# Altium PCB imx6ull开发板.PcbDoc (part 3 of 3)
Units mil, origin at the board's own origin, x right, y up, seen from the top; angles counter-clockwise.
Board outline 3937.01 x 2952.76 mil, 4 copper layers (Top Layer, GND, PWR, Bottom Layer), stack 30.634 mil thick; 190 components, 204 nets, 893 pads, 369 vias.
Unrouted connection lines stored in the file: 1.
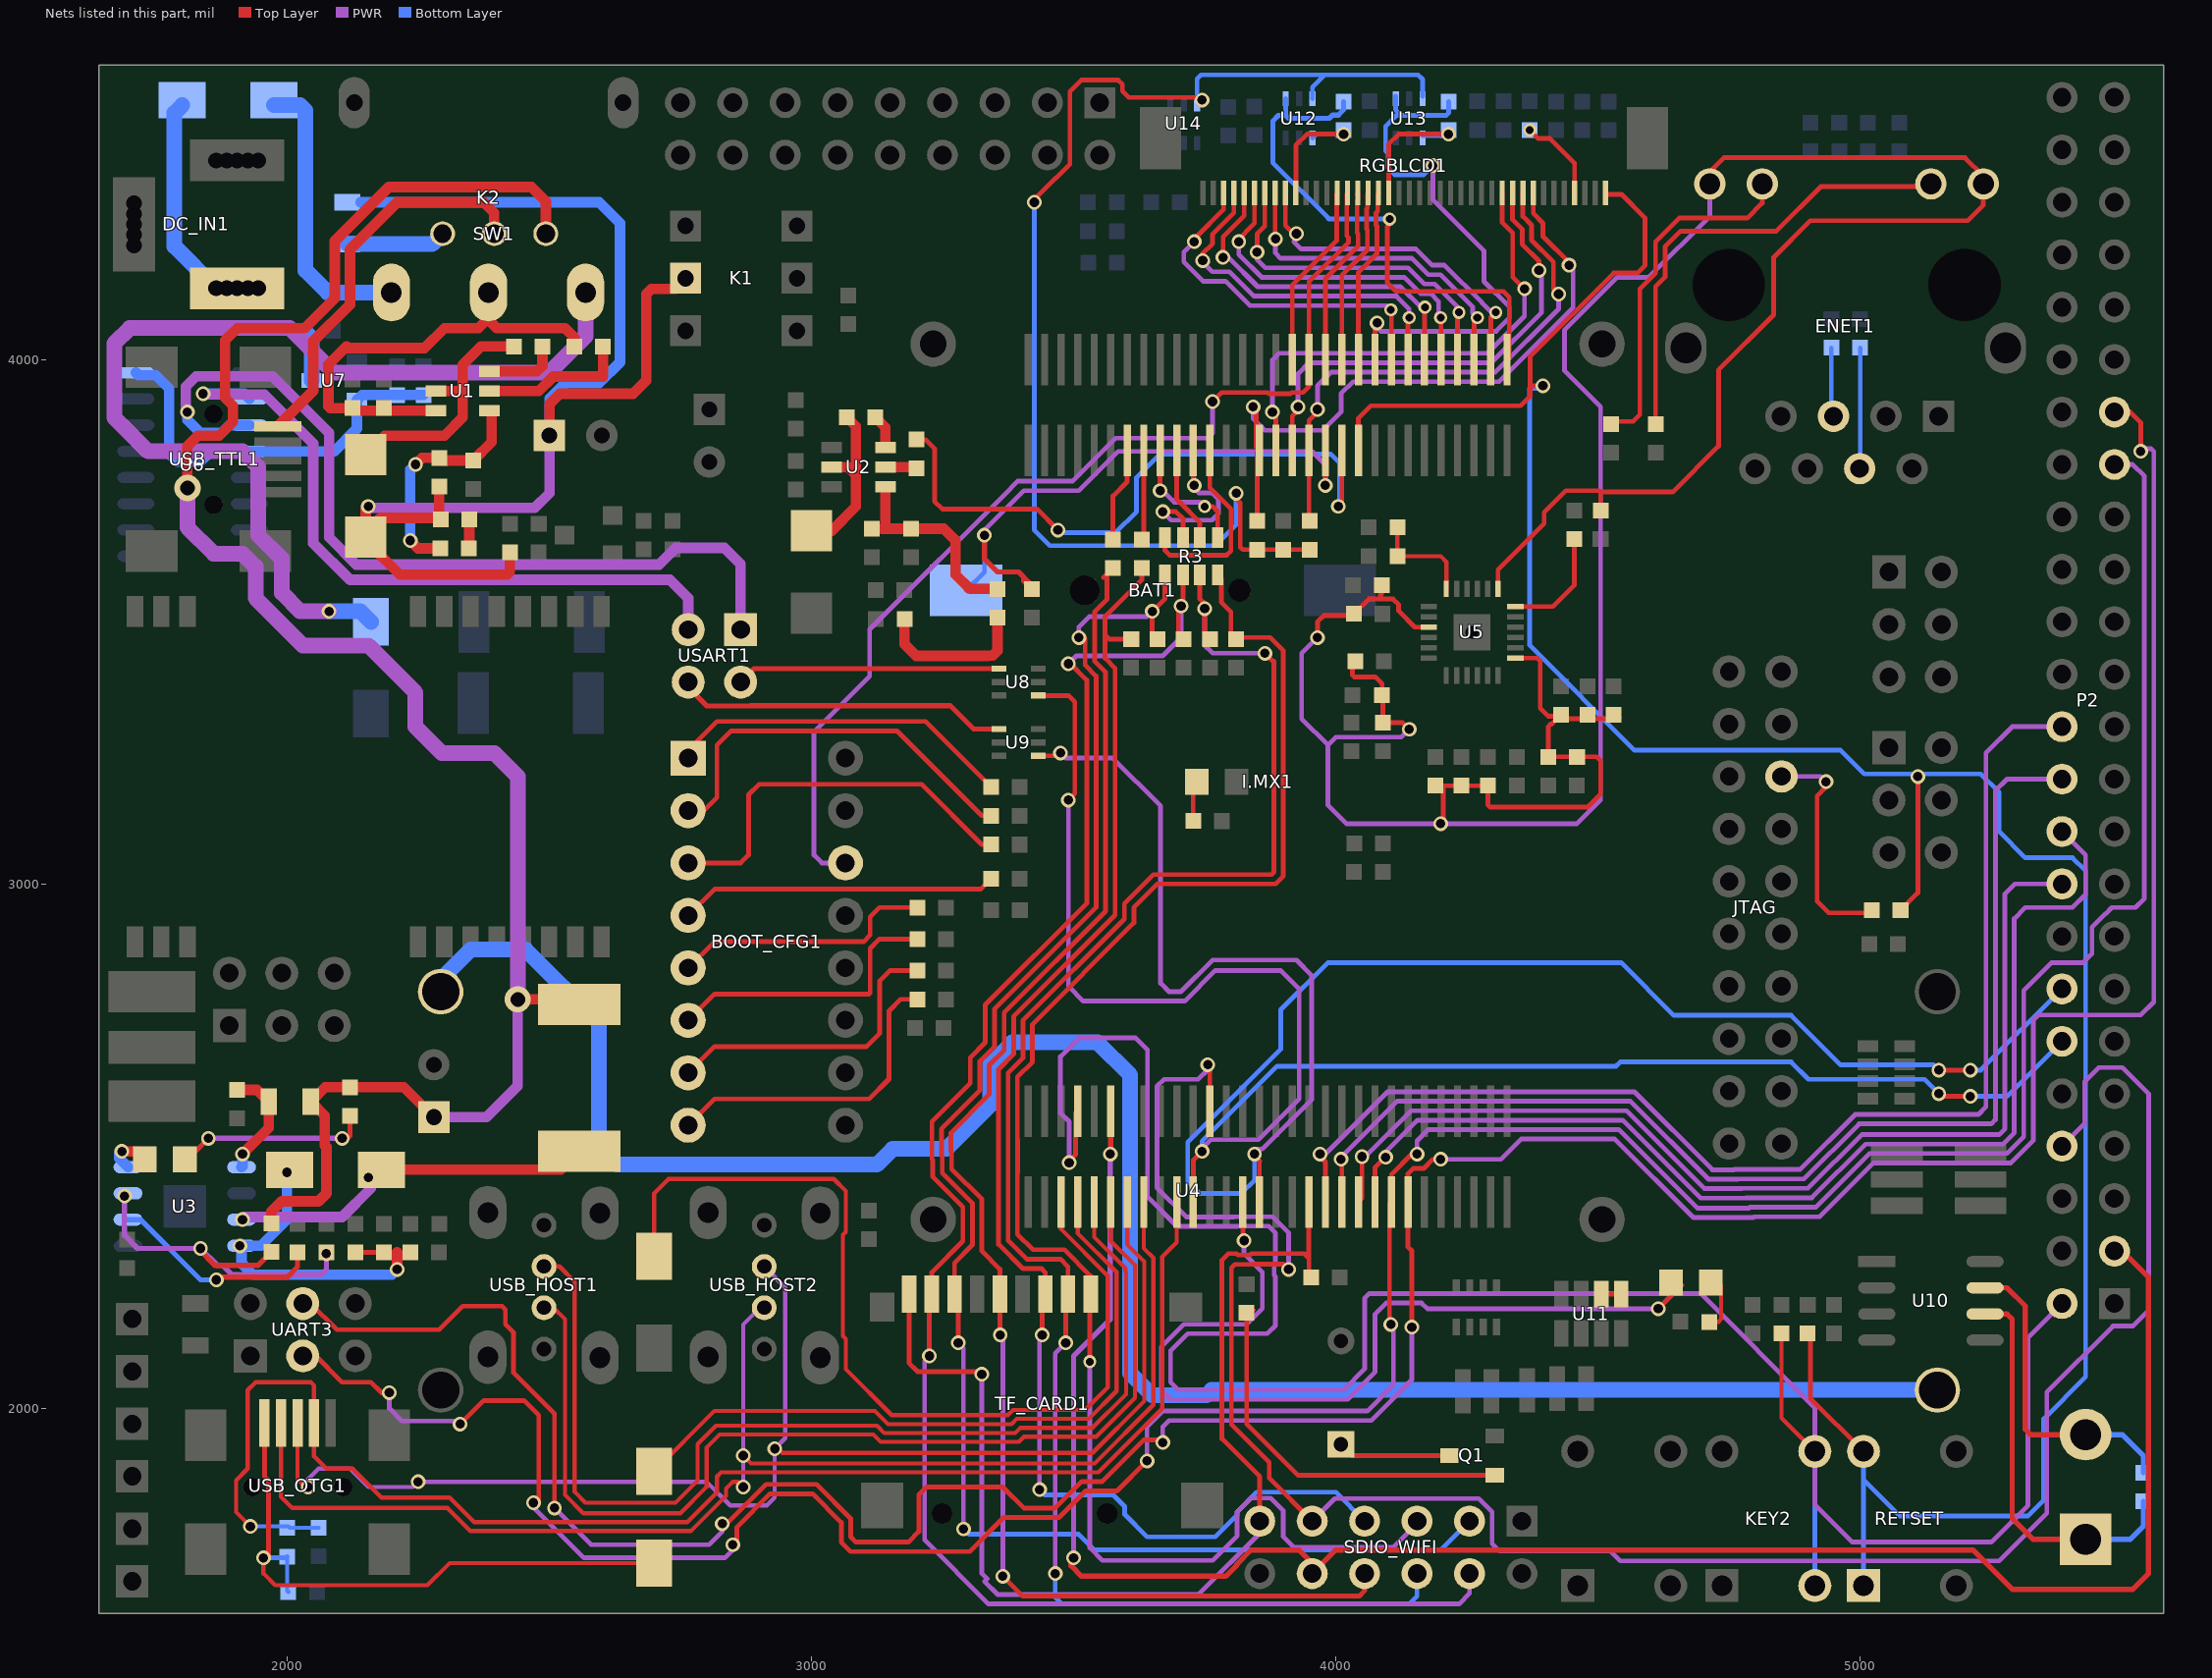
[diagram p5: the nets of this part, all layers, seen from the top]

## Via types
v1: diameter 28, hole 18, Top Layer to Bottom Layer, 322 vias
v2: diameter 25, hole 15, Top Layer to Bottom Layer, 41 vias
v3: diameter 19.68, hole 7.87, Top Layer to Bottom Layer, 4 vias
v4: diameter 50, hole 28, Top Layer to Bottom Layer, 2 vias

## Nets (pads, with @x,y where several pads share a name; then routed paths per layer and width w, separated by ;. In a path a pad name is that pad's centre, name@x,y a point inside that pad or via, vN(x,y) a via of type N, cw(c..) or ccw(c..) an arc to the next point about the centre after c; other vN are vias at no path point) (continued)
LCD_DATA10: I.MX1.J1_17 RGBLCD1.14 | length 353.6
  Top Layer w9: I.MX1.J1_17@3917.24,4000.12 3917.24,4142.44 4002,4227.2 4002,4301.93 4001.28,4302.65 4001.28,4316.52 RGBLCD1.14@4002.55,4317.79
LCD_DATA11: BOOT_CFG1.14 I.MX1.J1_18 RGBLCD1.15 | length 1958.6
  Top Layer w9: v1(3765,3920) 3782.41,3937.41 3835.24,3937.41 3841.77,3937.41 3870.09,3937.41 3872.5,3935 3914.2,3935 3916.61,3937.41 3937.41,3937.41 3948.74,3948.74 ; I.MX1.J1_18@3948.74,4000.12 3948.74,4148.48 4024.34,4224.08 4024.34,4232.52 4020.97,4235.89 4020.97,4316.53 RGBLCD1.15@4022.23,4317.79
  PWR w9: BOOT_CFG1.14@3065,3040 3020,3040 3005,3055 3005,3290 3111,3396 3111,3485.54 3380.5,3755.04 3380.5,3755.5 3393,3768 3498,3768 3580,3850 3755,3850 3765,3860 v1(3765,3920)
LCD_DATA12: I.MX1.J1_19 RGBLCD1.16 | length 346
  Top Layer w9: I.MX1.J1_19@3980.24,4000.12 3980.24,4154.52 4042.34,4216.63 4042.34,4239.98 4040.65,4241.67 4040.65,4288.57 4040.65,4303.33 4042.34,4305.02 4042.34,4312.5 4040.65,4314.19 4040.65,4316.52 RGBLCD1.16@4041.92,4317.79
LCD_DATA13: I.MX1.J1_20 RGBLCD1.17 | length 339.7
  Top Layer w9: I.MX1.J1_20@4011.73,4000.12 4011.73,4160.56 4060.34,4209.17 4060.34,4247.44 4058.65,4249.12 4058.65,4281.12 4058.65,4286.89 4060.34,4288.57 4060.34,4316.53 RGBLCD1.17@4061.6,4317.79
LCD_DATA14: I.MX1.J1_21 RGBLCD1.18 | length 334.8
  Top Layer w9: I.MX1.J1_21@4043.23,4000.12 4043.23,4166.6 4078.34,4201.71 4078.34,4254.89 4076.65,4256.58 4076.65,4273.66 4076.65,4279.43 4080.02,4282.8 4080.02,4316.52 RGBLCD1.18@4081.29,4317.79
LCD_DATA15: I.MX1.J1_22 R66.1 U13.4 | length 1074.4
  Top Layer w9: I.MX1.J1_22@4074.72,4000.12 4074.72,4065.83 v1(4078.72,4069.83)
  PWR w9: v1@4075,4073.55 v1(4078.72,4069.83) 4078.72,4061.28 4086,4054 4305.77,4054 4331,4079.23 4331,4100.77 4282.5,4149.27 4282.5,4207.5 4185,4305 v1(4185,4370)
  Bottom Layer w9: U13.4@4114.41,4502.4 U13.4@4114.41,4497.4 4114.41,4475.59 4124,4466 ; v1(4185,4370) 4167.5,4352.5 4112.5,4352.5 4100,4365 4100,4393.24 4095,4398.23 4095,4445 4116,4466 4124,4466 ; R66.1@4215,4492 4215,4470 4211,4466 4124,4466
LCD_DATA15S: R66.2 RGBLCD1.19 U13.1 | length 254.7
  Top Layer w9: RGBLCD1.19@4100.97,4317.79 4100.97,4410.97 4120,4430 v1(4215,4430)
  Bottom Layer w9: U13.1@4165.59,4427.6 R66.2@4205.16,4427.6
LCD_DATA16: I.MX1.J1_23 RGBLCD1.3 | length 679.2
  Top Layer w9: v1@3735,4235 3786.01,4286.01 RGBLCD1.3@3786.01,4317.79 ; v2(4105,4095) 4106.22,4093.78 I.MX1.J1_23@4106.22,4000.12
  PWR w9: v1(3730,4225) 3710,4205 3710,4186.11 3746.61,4149.5 3789.68,4149.5 3836.18,4103 4097,4103 v2(4105,4095)
LCD_DATA17: I.MX1.J1_24 RGBLCD1.4 | length 684.5
  Top Layer w9: v1@3745,4201.11 3765,4221.11 3765,4239.35 3805.7,4280.04 RGBLCD1.4@3805.7,4317.79 ; v1(3746.16,4188.84) 3752.27,4188.84 v1@3756.11,4185 ; I.MX1.J1_24@4137.72,4000.12 4137.72,4077.72 v2(4140,4080)
  PWR w9: v1(3746.16,4188.84) 3746.16,4186.16 3764.83,4167.5 3797.13,4167.5 3843.63,4121 4115.77,4121 4140,4096.77 v2(4140,4080)
LCD_DATA18: I.MX1.J1_25 RGBLCD1.5 | length 664.1
  Top Layer w9: v1(3785,4195) 3785,4233.89 3825.38,4274.27 RGBLCD1.5@3825.38,4317.79 ; I.MX1.J1_25@4169.21,4000.12 4169.21,4099.21 v2(4170,4100)
  PWR w9: v1(3785,4195) 3795.09,4195 3851.09,4139 4123.23,4139 4162.23,4100 v2(4170,4100)
LCD_DATA19: I.MX1.J1_26 RGBLCD1.6 | length 669.7
  Top Layer w9: v1(3815,4225) 3810,4225 3845.07,4260.07 RGBLCD1.6@3845.07,4317.79 ; v2(4200,4080) 4200.71,4079.29 I.MX1.J1_26@4200.71,4000.12
  PWR w9: v1(3815,4225) 3815,4200.54 3858.54,4157 4130.68,4157 4161.68,4126 4180.77,4126 4196,4110.77 4196,4089.23 4193.38,4086.62 v2(4200,4080)
LCD_DATA20: I.MX1.J1_27 RGBLCD1.7 | length 655
  Top Layer w9: v1(3850,4205) 3850,4239.54 3864.75,4254.3 RGBLCD1.7@3864.75,4317.79 ; I.MX1.J1_27@4232.2,4000.12 4232.2,4087.2 v2(4235,4090)
  PWR w9: v1(3850,4205) 3850,4191 3866,4175 4138.14,4175 4169.14,4144 4188.23,4144 4235,4097.23 v2(4235,4090)
LCD_DATA21: I.MX1.J1_28 RGBLCD1.8 | length 641.5
  Top Layer w9: RGBLCD1.8@3884.44,4317.79 3884.44,4233.33 3885,4233.89 v1(3885,4230) ; I.MX1.J1_28@4263.7,4000.12 4263.7,4073.7 v2(4270,4080)
  PWR w9: v1(3885,4230) 3885,4203 3895,4193 4145.59,4193 4176.59,4162 4199.77,4162 4261,4100.77 4261,4089 v2(4270,4080)
LCD_DATA22: I.MX1.J1_29 RGBLCD1.9 | length 641.6
  Top Layer w9: RGBLCD1.9@3904.12,4317.79 3904.12,4255.88 3920,4240 v1(3925,4240) ; I.MX1.J1_29@4295.2,4000.12 4296,4000.92 4296,4081 v2(4305,4090)
  PWR w9: v1(3925,4240) 3925,4230 3920,4225 3934,4211 4153.05,4211 4184.05,4180 4207.23,4180 4279,4108.23 4279,4107.77 4296.77,4090 v2(4305,4090)
LCD_DATA23: I.MX1.J1_30 R67.1 U12.4 | length 1033.1
  Top Layer w9: v2(4102.65,4268) 4102.65,4262.35 4105,4260 4098.02,4253.02 4098.02,4146.98 4115,4130 4320,4130 4331,4119 4331,4004.43 I.MX1.J1_30@4326.69,4000.12
  Bottom Layer w9: 3880,4398.5 3880,4375.46 3985.23,4270.23 3985.23,4269.57 3986.8,4268 v2(4102.65,4268)
  Bottom Layer w10: 3880,4398.5 3880,4455 3890.59,4465.59 3904.41,4465.59 ; U12.4@3904.41,4497.4 3904.41,4465.59 ; R67.1@4015,4492 4015,4476.5 4005,4466.5 3994.27,4466.5 3987.77,4460 3910,4460 3904.41,4465.59
LCD_DATA23S: R67.2 RGBLCD1.10 U12.1 | length 253.5
  Top Layer w9: RGBLCD1.10@3923.81,4317.79 3923.81,4408.81 3945,4430 v1(4015,4430)
  Bottom Layer w9: U12.1@3955.59,4422.6 3962.99,4430 v1(4015,4430)
LCD_DE: I.MX1.J1_46 R64.1 RGBLCD1.33 | length 1250.3
  Top Layer w9: v1(3842.25,3909.91) 3843.6,3909.91 3848.5,3905 3848.5,3832.64 I.MX1.J1_46@3854.25,3826.89 3850,3822.64 R64.1@3850,3692 ; RGBLCD1.33@4376.56,4317.79 4376.56,4278.69 4395,4260.26 4395,4235 4445,4185 v1(4445,4180)
  PWR w9: v1(3842.25,3909.91) 3842.25,3887.25 3864.5,3865 3975,3865 4010,3900 4010,3935 4033,3958 4311.59,3958 4452.5,4098.91 4452.5,4187.5 v1(4445,4180)
LCD_HSYNC: I.MX1.J1_44 RGBLCD1.31 | length 913.9
  Top Layer w9: I.MX1.J1_44@3917.24,3826.89 3917.24,3892.24 3928,3903 v1(3928,3909.91) ; RGBLCD1.31@4337.19,4317.79 4337.19,4267.15 4355.5,4248.85 4355.5,4220.15 4387.5,4188.15 v1(4387.5,4170)
  PWR w9: v1(3928,3909.91) 3928,3973 3949,3994 4296.68,3994 4392,4089.32 4392,4165.5 v1(4387.5,4170)
LCD_PCLK: I.MX1.J1_45 RGBLCD1.30 | length 951.5
  Top Layer w9: v1@3879.25,3908.5 v1(3879.25,3900) 3885.75,3893.5 I.MX1.J1_45@3885.75,3826.89 ; RGBLCD1.30@4317.51,4317.79 4317.51,4261.38 4337.5,4241.39 4337.5,4157.5 v1(4360,4135)
  PWR w9: v1(3879.25,3900) 3879.25,3999.25 3892,4012 4289.23,4012 4360,4082.77 v1(4360,4135)
LCD_VSYNC: I.MX1.J1_43 R63.1 RGBLCD1.32 | length 1035.2
  Top Layer w9: R63.1@3950,3692 3948.74,3693.26 I.MX1.J1_43@3948.74,3826.89 3948.74,3883.74 3965,3900 v1(3965,3905) ; RGBLCD1.32@4356.88,4317.79 4356.88,4272.92 4373.5,4256.3 4373.5,4227.61 4415,4186.11 4415,4135 v1(4425,4125)
  PWR w9: v1(3965,3905) 3965,3950 3991,3976 4304.14,3976 4425,4096.86 v1(4425,4125)
LED0: DS3.2 I.MX1.J2_47 | length 1694.8
  Top Layer w9: I.MX1.J2_47@3822.76,2393.82 3822.76,2317.24 3825,2319.49 v1(3825,2320) ; v1(4615,2190) DS3.2@4660,2235
  PWR w9: v1(3825,2320) 3825,2295 3860,2260 3860,2190.5 3830,2160.5 3710.04,2160.5 3667,2117.46 3667,2034.54 3684.54,2017 4022.46,2017 4075,2069.54 4075,2180 4096,2201 4163.54,2201 4174.54,2190 v1(4615,2190)
NetBEEP1_1: BEEP1.1 Q1.3 | length 215.6
  Top Layer w10: BEEP1.1@4010,1931.57 4031.57,1910 Q1.3@4216.69,1910
NetBOOT_CFG1_1: BOOT_CFG1.1 R10.2 | length 667
  Top Layer w9: BOOT_CFG1.1@2765,3240 2765,3255 2820,3310 3217.56,3310 R10.2@3342.5,3185.06
NetBOOT_CFG1_2: BOOT_CFG1.2 R12.2 | length 766.1
  Top Layer w9: BOOT_CFG1.2@2765,3140 2795,3140 2820,3165 2820,3265 2847,3292 3163,3292 3324.94,3130.06 R12.2@3342.5,3130.06
NetBOOT_CFG1_3: BOOT_CFG1.3 R13.2 | length 754.6
  Top Layer w9: BOOT_CFG1.3@2765,3040 2865,3040 2880,3055 2880,3170 2900,3190 3210,3190 3324.94,3075.06 R13.2@3342.5,3075.06
NetBOOT_CFG1_4: BOOT_CFG1.4 R14.2 | length 606.5
  Top Layer w9: BOOT_CFG1.4@2765,2940 2815,2990 3322.44,2990 R14.2@3342.5,3010.06
NetBOOT_CFG1_5: BOOT_CFG1.5 R15.2 | length 505.4
  Top Layer w9: BOOT_CFG1.5@2765,2840 2815,2890 3099.54,2890 3111.96,2902.42 3111.96,2936.96 3130.06,2955.06 R15.2@3202.5,2955.06
NetBOOT_CFG1_6: BOOT_CFG1.6 R16.2 | length 551.5
  Top Layer w9: BOOT_CFG1.6@2765,2740 2815,2790 3110,2790 3112,2792 3112,2877 3130.06,2895.06 R16.2@3202.5,2895.06
NetBOOT_CFG1_7: BOOT_CFG1.7 R18.2 | length 576.9
  Top Layer w9: BOOT_CFG1.7@2765,2640 2815,2690 3105,2690 3130,2715 3130,2815 3150.06,2835.06 R18.2@3202.5,2835.06
NetBOOT_CFG1_8: BOOT_CFG1.8 R20.2 | length 613.1
  Top Layer w9: BOOT_CFG1.8@2765,2540 2815,2590 3110,2590 3148,2628 3148,2758 3170.06,2780.06 R20.2@3202.5,2780.06
NetC2_1: C2.1 U1.6 | length 142.2
  Top Layer w20: U1.6@2386.18,3977.4 2476.39,3977.4 2487,3988.01 C2.1@2487,4025
NetC2_2: C2.2 L1.1 U1.2 | length 481.9
  Top Layer w20: L1.1@2150,3818.74 2186.26,3855 2300,3855 2335,3890 2335,3930 ; U1.2@2283.82,3940 2325,3940 2335,3930 ; C2.2@2432.5,4025.06 2432.44,4025 2370,4025 2335,3990 2335,3930
NetC3_1: C3.1 U2.6 | length 65.5
  Top Layer w20: C3.1@3122,3890 3141.18,3870.82 U2.6@3141.18,3832.4
NetC3_2: C3.2 L2.1 U2.2 | length 333.9
  Top Layer w20: L2.1@3000,3673.74 3038.74,3673.74 3085,3720 3085,3780 ; U2.2@3038.82,3795 3070,3795 3085,3780 ; C3.2@3067.5,3890.06 3085,3872.56 3085,3780
NetC4_2: C4.2 R22.1 | length 55.1
  Top Layer w20: R22.1@2347,3640 2347.5,3640.5 C4.2@2347.5,3694.94
NetC6_2: C6.2 R23.1 | length 301.4
  Top Layer w20: C6.2@3177.5,3504.94 3177.5,3457.5 3200,3435 3335.45,3435 3335.95,3435.5 3345.5,3435.5 3355,3445 R23.1@3355,3508
NetC12_2: C12.2 C13.2 K2.2 R26.1 U1.3 | length 879.1
  Top Layer w20: U1.3@2283.82,3902.6 2129.84,3902.6 C12.2@2124.94,3907.5 2082.5,3907.5 2079,3911 2079,3990.67 2113.33,4025 2116.33,4022 2262,4022 2300,4060 2365,4060 K2.2@2384.13,4079.13 ; K2.2@2384.13,4127.87 K2.2@2384.13,4079.13 ; R26.1@2548,4025 2548,4042 2530,4060 2400,4060 2384.13,4075.87 K2.2@2384.13,4079.13
NetC15_2: C15.2 R30.1 U3.1 | length 215.7
  Top Layer w20: C15.2@1905.06,2607.5 1942.5,2607.5 R30.1@1965,2585 1965,2535 v1(1915,2485)
  Bottom Layer w20: U3.1@1913.27,2460 1915,2461.73 v1(1915,2485)
NetC17_2: C17.2 C18.2 C19.2 D5.2 U3.4 | length 656.4
  Top Layer w10: C17.2@2129.94,2297.5 C18.2@2184.94,2297.5 2210,2297.5
  Top Layer w20: v1(2210,2265) 2210,2297.5
  Bottom Layer w20: v1(1910,2310) U3.4@1913.27,2310 ; v1(2000,2450) 2000,2360 1950,2310 U3.4@1913.27,2310 ; v1(2210,2265) 2200,2255 1935,2255 1913.27,2276.73 U3.4@1913.27,2310
NetC25_2: C25.2 C26.2 U5.6 | length 204.2
  Top Layer w8: C26.2@4117.5,3679.94 C25.2@4117.5,3624.94 4200.06,3624.94 4210.79,3614.21 U5.6@4210.79,3562.72
NetC33_2: C33.2 ENET1.4 | length 230.8
  Bottom Layer w9: ENET1.4@4999.17,3792.09 5000.06,3792.98 C33.2@5000.06,4022.5
NetC34_2: C34.2 ENET1.5 | length 132.1
  Bottom Layer w9: C34.2@4945.06,4022.5 4945.06,3896.2 ENET1.5@4949.17,3892.09
NetCAN1_1: CAN1.1 R51.1 U10.6 | length 760.7
  Top Layer w10: U10.6@5238.35,2180 5280,2180 5290,2170 5290,1790 5330,1750 CAN1.1@5430,1750
  Bottom Layer w10: CAN1.1@5430,1750 5515,1750 5540,1775 R51.1@5540,1823
NetCAN1_2: CAN1.2 R51.2 U10.7 | length 604.3
  Top Layer w10: U10.7@5238.35,2230 5280,2230 5315,2195 5315,1960 5325,1950 CAN1.2@5430,1950
  Bottom Layer w10: CAN1.2@5430,1950 5500,1950 5539.94,1910.06 R51.2@5539.94,1877.5
NetD1_1: D1.1 DC_IN1.1 | length 428.4
  PWR w30: DC_IN1.1@1924.94,4135.91 DC_IN1.1@1944.94,4135.91
  Bottom Layer w30: D1.1@1800,4485 1785,4470 1785,4215.84 DC_IN1.1@1864.94,4135.91 ; DC_IN1.1@1924.94,4135.91 DC_IN1.1@1944.94,4135.91
NetD1_2: D1.2 K2.1 | length 550.7
  Bottom Layer w30: D1.2@1975,4485 2025,4485 2035,4475 2035,4170 2077.13,4127.87 K2.1@2199.09,4127.87
NetD2_2: D2.2 K2.3 | length 1964.5
  PWR w30: v1(2080,3520) 2025,3520 1990,3555 1990,3620 1945,3665 1945,3795 1915,3825 1735,3825 1670.5,3889.5 1670.5,4030.5 1700,4060 2005,4060 2090,3975 2500,3975 2569.17,4044.17 K2.3@2569.17,4127.87
  Bottom Layer w30: v1(2080,3520) 2140,3520 D2.2@2160,3500
NetD5_1: D5.1 L3.2 U3.3 | length 683.6
  Top Layer w20: D5.1@2180,2455 2522.2,2455 L3.2@2557.2,2490
  PWR w20: v1(1915,2360) 1920,2365 2105,2365 2159.92,2419.92 2159.92,2435.08 v1(2155,2440)
NetDS1_1: DS1.1 R80.1 | length 68
  Top Layer w9: R80.1@3728,3120 DS1.1@3728,3188
NetDS2_1: DS2.1 R29.1 | length 388.3
  Top Layer w10: DS2.1@1805,2475 1810,2475 v1(1850,2515) ; v1(2105,2515) 2105,2511 2108,2508 2120,2520 R29.1@2120,2558
  PWR w10: v1(1850,2515) 2099,2515 2105,2509 v1(2105,2515)
NetDS2_2: DS2.2 U3.8 | length 89.2
  Top Layer w20: v1(1685,2490) 1713.99,2490 DS2.2@1728.99,2475
  Bottom Layer w20: v1(1685,2490) 1680,2485 1680,2476.73 U3.8@1696.73,2460
NetDS3_1: DS3.1 R49.1 | length 95.1
  Top Layer w8: R49.1@4707,2165 4730,2165 4735,2170 DS3.1@4735,2235
NetENET1_10: ENET1.10 R47.1 | length 902.2
  Top Layer w9: R47.1@4610,3877 4610,4139.54 4628,4157.54 4628,4215 4658,4245 4840,4245 4925,4330 5130,4330 ENET1.10@5135,4335
NetENET1_11: ENET1.11 R48.1 | length 675.3
  Top Layer w9: R48.1@4525,3877 4530,3882 4567,3882 4580,3895 4580,4135 4610,4165 4610,4225 4655,4270 4785,4270 4813.35,4298.35 ENET1.11@4813.35,4335
NetI.MX1_J1_49: I.MX1.J1_49 R3.7 | length 365.6
  Top Layer w9: R3.7@3674.37,3660.2 3674.37,3635.63 3682.98,3627.02 3792.02,3627.02 3800,3635 3800,3715 3759.76,3755.24 I.MX1.J1_49@3759.76,3826.89
NetI.MX1_J1_50: I.MX1.J1_50 R3.5 | length 365.4
  Top Layer w9: v1(3670,3710) 3695,3710 3708.82,3696.18 R3.5@3708.82,3660.2 ; I.MX1.J1_50@3728.27,3826.89 3728.27,3761.73 v1(3730,3760)
  PWR w9: v1(3670,3710) 3670,3709.89 3685.89,3694 3764,3694 3776,3706 3776,3734 3764,3746 3739,3746 v1@3727.5,3757.5 ; v1(3730,3760) v1@3730,3773.34
NetI.MX1_J1_51: I.MX1.J1_51 R3.3 | length 185
  Top Layer w9: I.MX1.J1_51@3696.77,3826.89 3696.77,3733.23 3702,3728 3702.46,3728 3740.32,3690.14 R3.3@3740.32,3660.2
NetI.MX1_J1_52: I.MX1.J1_52 R3.1 | length 253.3
  Top Layer w9: v1(3665,3750) 3665,3826.61 I.MX1.J1_52@3665.28,3826.89 ; v2(3750,3720) 3765,3720 3774.77,3710.23 R3.1@3774.77,3660.2
  PWR w9: v1(3665,3750) 3670,3750 3680,3740 3692,3728 3742,3728 v2(3750,3720)
NetI.MX1_J1_53: I.MX1.J1_53 R2.1 | length 171.5
  Top Layer w9: R2.1@3630,3657 3633.78,3660.78 I.MX1.J1_53@3633.78,3826.89
NetI.MX1_J1_54: I.MX1.J1_54 R1.1 | length 181.2
  Top Layer w9: R1.1@3575,3657 3575,3740 3602.28,3767.28 I.MX1.J1_54@3602.28,3826.89
NetJTAG_15: JTAG.15 R19.2 | length 432.8
  Top Layer w9: v1(4935,3195) 4935,3185 4918,3168 4918,2967 4940,2945 4964.54,2945 R19.2@5017.5,2945
  PWR w9: JTAG.15@4850,3205 4925,3205 v1(4935,3195)
NetQ1_1: Q1.1 R50.2 | length 738.9
  Top Layer w9: R50.2@3839.94,2187.5 3842.5,2187.5 3830,2175 3830,1970 3927.4,1872.6 Q1.1@4303.31,1872.6
NetR21_1: R21.1 U2.5 | length 59.6
  Top Layer w20: U2.5@3141.18,3795 3198,3795 R21.1@3200,3793
NetR22_2: R22.2 R24.2 R27.2 U1.4 | length 441.3
  Top Layer w20: v1(2235,3655) 2249.94,3640.06 R22.2@2292.5,3640.06 ; v1(2245,3800) 2257.5,3812.5 R24.2@2290.06,3812.5 2295.06,3807.5 R27.2@2355.06,3807.5 2390,3842.44 2390,3898.78 U1.4@2386.18,3902.6
  Bottom Layer w20: v1(2235,3655) 2235,3790 v1(2245,3800)
NetR23_2: R23.2 R25.2 R28.2 U2.4 | length 388.4
  Top Layer w20: U2.4@3141.18,3757.6 3141.18,3683.68 3135,3677.5 R28.2@3190.06,3677.5 3252.5,3677.5 3275,3655 3275,3590 3302.5,3562.5 R23.2@3355.06,3562.5
NetR26_2: R26.2 U1.5 | length 285.1
  Top Layer w20: U1.5@2386.18,3940 2480,3940 2507.5,3967.5 2602.5,3967.5 R26.2@2602.5,4024.94
NetR31_1: R31.1 R32.2 U3.7 | length 686.7
  Top Layer w10: v1(1835,2305) 1835,2300 1862,2273 1945,2273 R31.1@1970,2298
  PWR w10: v1(1690,2405) 1690,2330 1715,2305 v1(1835,2305) 1867,2273 1876.6,2273 1894.6,2255 2065,2255 2075,2265 v1(2075,2295)
NetR33_2: R33.2 U3.6 | length 408.7
  Top Layer w10: v1(1865,2245) 1870,2250 2000,2250 2019.94,2269.94 R33.2@2019.94,2297.5
  Bottom Layer w10: U3.6@1696.73,2360 1720,2360 1835,2245 v1(1865,2245)
NetR46_1: R46.1 U5.24 | length 217.2
  Top Layer w9: U5.24@4342.72,3529.21 4414.21,3529.21 4455,3570 R46.1@4455,3658
NetR71_1: R71.1 RGBLCD1.37 | length 168.4
  Top Layer w9: v2(4370,4438) 4386.5,4421.5 4408.5,4421.5 4455.3,4374.7 RGBLCD1.37@4455.3,4317.79
NetR100_2: R100.2 SW1.3 | length 189.9
  Bottom Layer w30: R100.2@2115,4220 2276.57,4220 SW1.3@2296.57,4240
NetU4_2: U4.2 U4.3 | length 3966.7
  Bottom Layer w30: U4.3@2292.95,2794.45 2292.95,2817.95 2350,2875 2455,2875 2595,2735 2595,2500 2630,2465 3125,2465 3155,2495 3257.18,2495 3341,2578.82 3341,2656 3383,2698 3545.74,2698 3608,2635.74 3608,2067 3650,2025 3753.24,2025 3763.24,2035 U4.2@5147.28,2035
NetU8_4: U8.4 USART1.2 | length 503.2
  Top Layer w10: USART1.2@2865,3385 2890.59,3410.59 U8.4@3357.6,3410.59
NetU9_4: U9.4 USART1.4 | length 635.9
  Top Layer w10: USART1.4@2765,3385 2765,3375 2800.5,3339.5 2883.85,3339.5 2884.34,3340 3265,3340 3309.41,3295.59 U9.4@3357.6,3295.59
NetU11_5: U11.5 U11.6 | length 38.2
  Top Layer w9: U11.6@4506.38,2218 U11.5@4544.57,2218
ON_OFF: I.MX1.J2_4 KEY2.2 P2.2 R53.1 | length 4566.1
  Top Layer w8: R53.1@4850,2143 4850,1981.54 KEY2.2@4913.58,1917.95
  Top Layer w9: v1(3491.59,2468.41) 3491.59,2471.59 3504,2484 3504,2563.25 I.MX1.J2_4@3507.8,2567.05
  PWR w9: v1(3491.59,2468.41) 3491.59,2546.59 3475,2563.18 3475,2670.76 3510.74,2706.5 3618.5,2706.5 3641,2684 3641,2403.54 3697.54,2347 3813.11,2347 3813.61,2347.5 3872.04,2347.5 3885,2334.54 3885,2278.89 3882.5,2276.39 3882.5,2253.61 3885,2251.11 3885,2158 3869.5,2142.5 3717.5,2142.5 3685,2110 3685,2050 3700,2035 4015,2035 4055,2075 4055,2210 4064,2219 4696,2219 4913.58,2001.42 KEY2.2@4913.58,1917.95 4913.58,1816.42 4985,1745 5250,1745 5320,1815 5320,2135 P2.2@5385,2200
  Bottom Layer w9: KEY2.2@4913.58,1662.05 KEY2.2@4913.58,1917.95
PMIC_ON_REQ: I.MX1.J1_41 R21.2 | length 1240.5
  Top Layer w9: R21.2@3200.06,3847.5 3217.5,3847.5 3234.77,3830.23 3234.77,3729.77 3249.54,3715 3430,3715 v1(3470,3675) ; v1(4005,3720) 4011.73,3726.73 I.MX1.J1_41@4011.73,3826.89
  Bottom Layer w9: v1(3470,3675) 3475,3670 3580,3670 3620,3710 3620,3775 3665,3820 3990,3820 4007.5,3802.5 4007.5,3722.5 v1(4005,3720)